# Altium PCB SAC100001-RFSENS.PcbDoc (part 4 of 4) (continued)
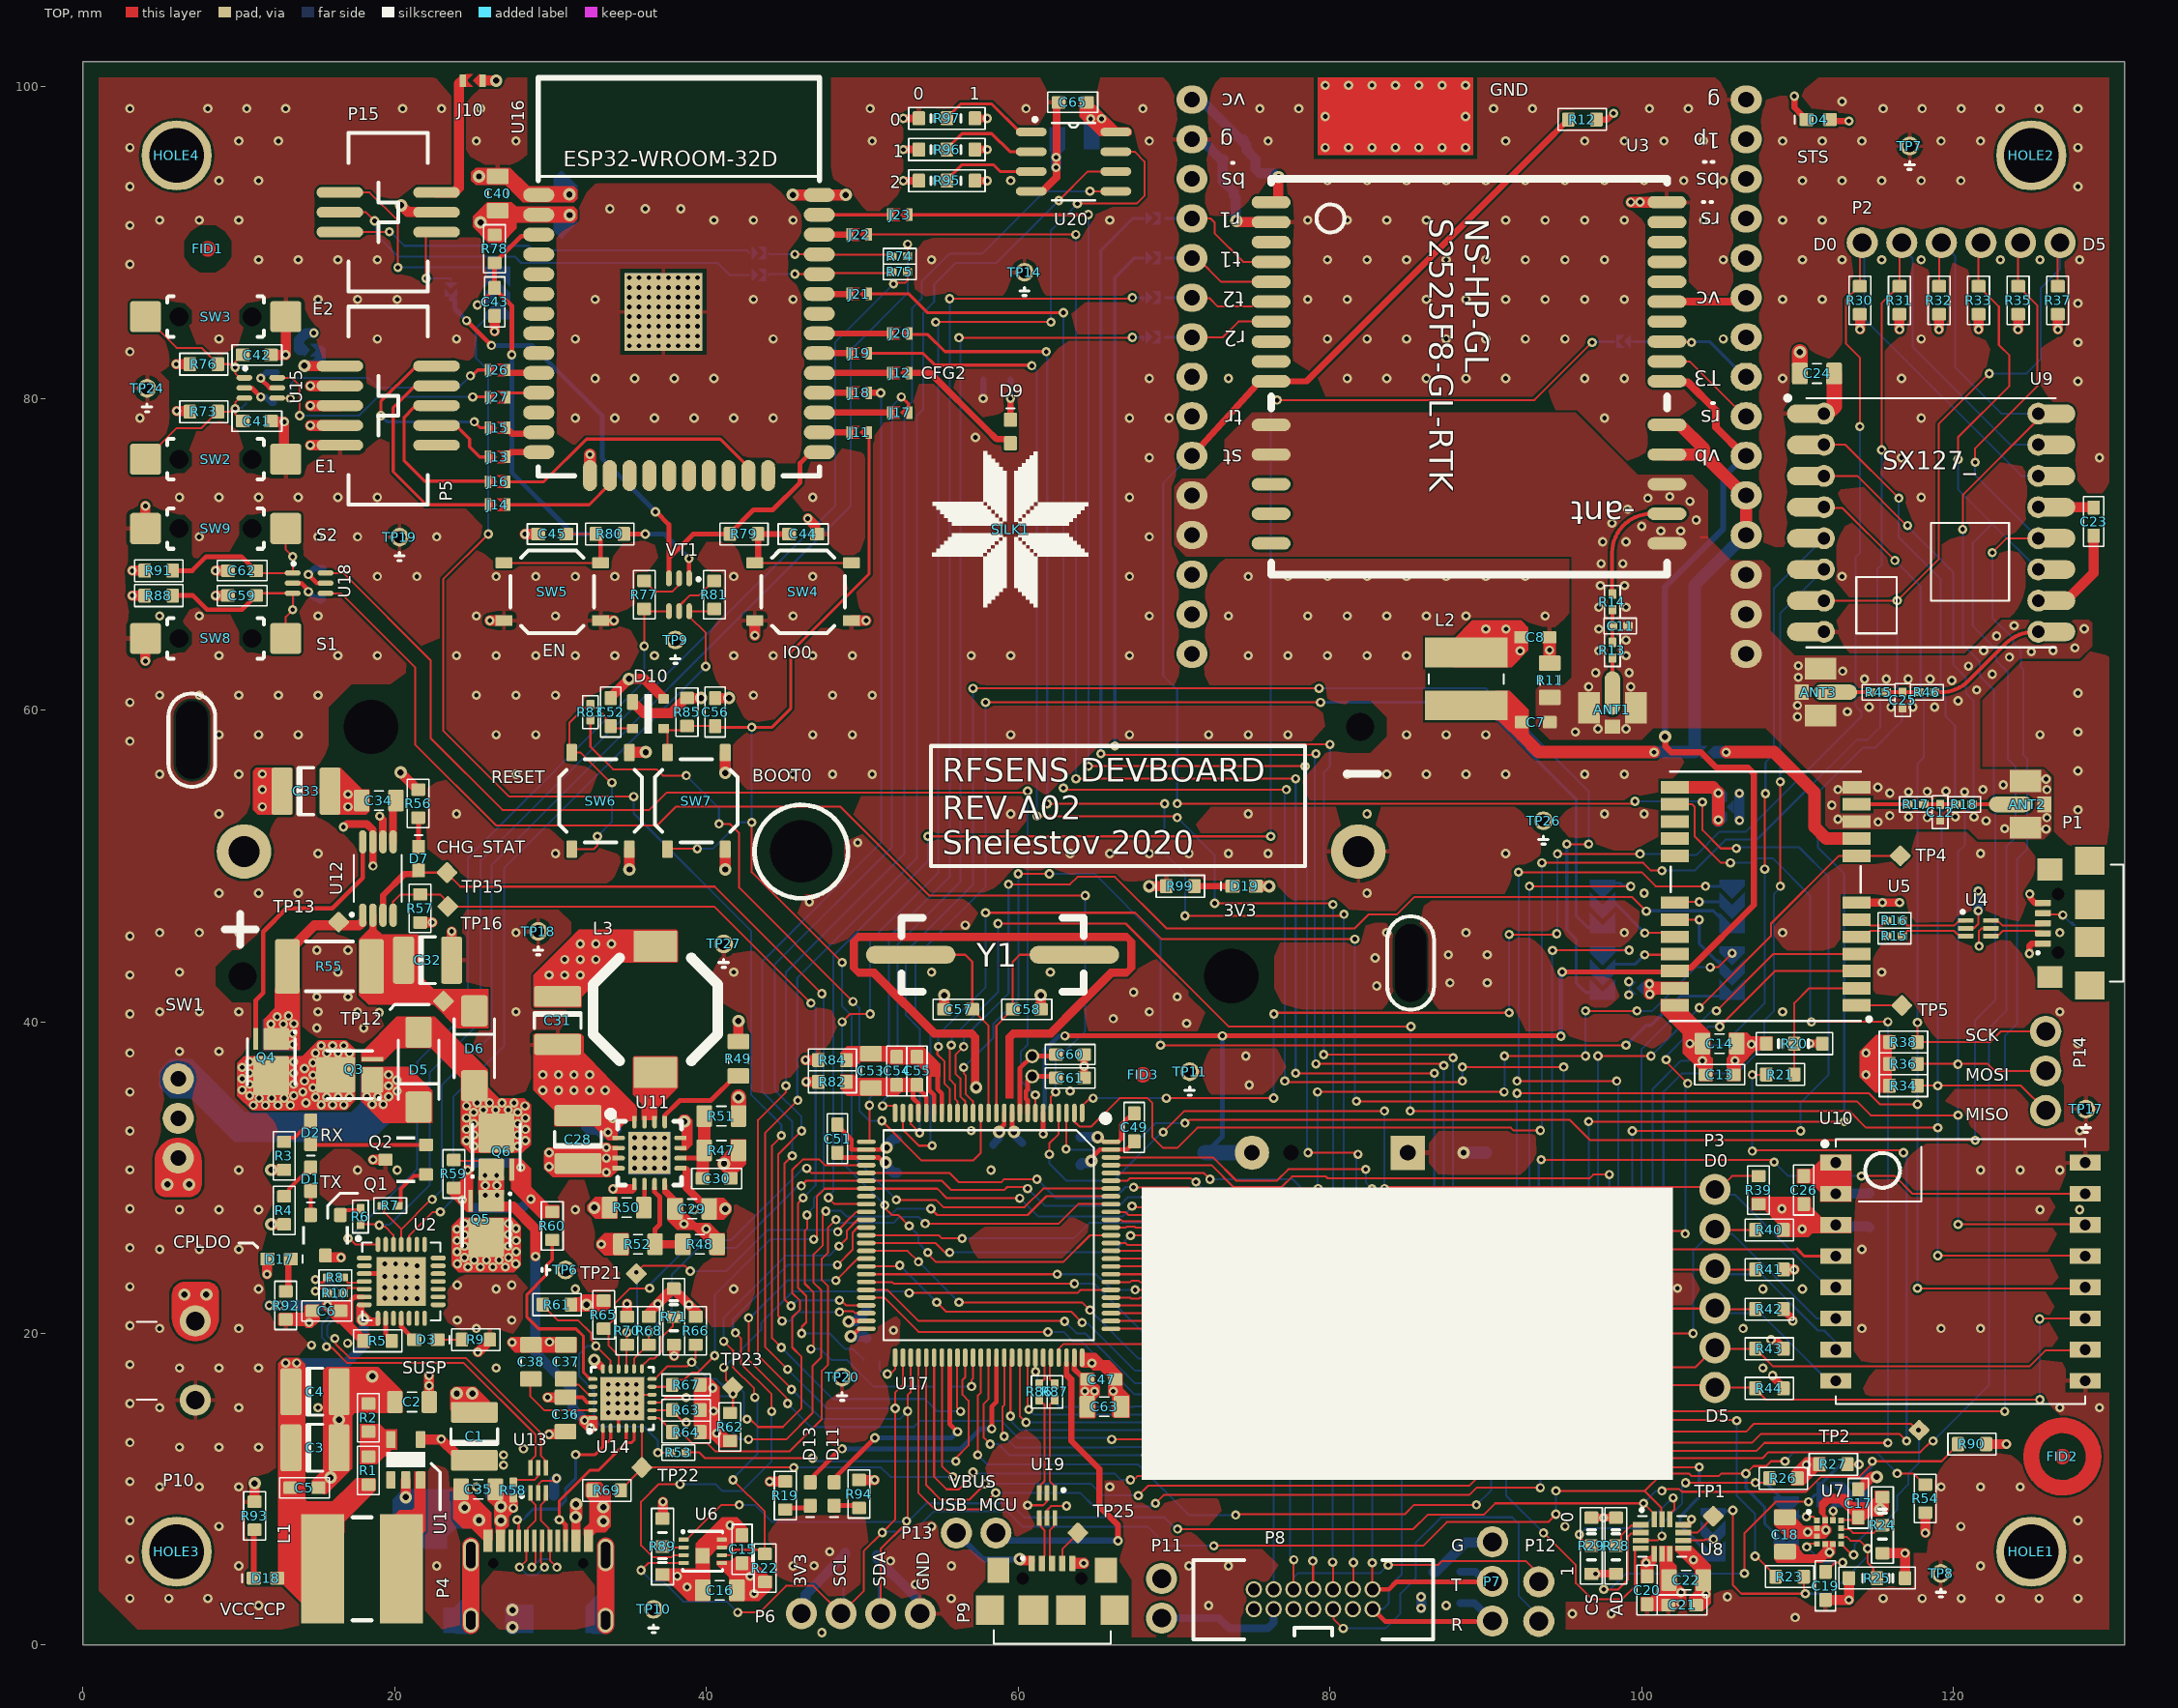
[diagram p0: TOP view]
## Polygon pours and split planes (outlines as drawn) (continued)
GND on PWR (split plane): 54.998,3.258 54.998,1.342 54.166,0.51 46.902,0.51 46.902,1.033 47.372,1.503 47.394,1.536 47.402,1.575 47.402,3.7 47.394,3.739 47.372,3.772 46.402,4.742 46.402,5.558 47.342,6.498 51.758,6.498
GND on PWR (split plane): 17.598,24.558 17.598,19.042 16.983,18.427 14.517,18.427 13.977,18.967 13.977,19.199 13.995,19.225 14.004,19.275 13.995,19.325 13.977,19.351 13.977,24.533 14.768,25.324 14.8,25.33 14.826,25.348 16.808,25.348
UBVBUS on PWR (split plane): 119.428,45.778 119.461,45.756 119.5,45.748 123.208,45.748 123.428,45.528 123.461,45.506 123.5,45.498 124.958,45.498 125.648,44.808 125.648,43.892 125.208,43.452 123.605,43.452 123.135,43.922 123.102,43.944 123.062,43.952 118.042,43.952 115.072,46.922 115.039,46.944 115,46.952 112.792,46.952 112.602,47.142 112.602,48.058 112.792,48.248 116.958,48.248
GPS_STSr on PWR (split plane): 111.073,97.553 108.847,95.327 98.353,95.327 97.727,95.953 97.727,97.1 97.718,97.149 97.69,97.19 97.327,97.553 97.327,101.09 111.073,101.09

## Other copper
TOP:
  region net GND: 89.2,95.6 89.2,100.6 79.2,100.6 79.2,95.6
  region net VPLUG: 6.1,32.56 ccw(c6.1,31.06) 4.6,31.06 4.6,29.46 ccw(c5.3,29.46) 5.3,28.76 6.8,28.76 ccw(c6.8,29.56) 7.6,29.56 7.6,31.06 ccw(c6.1,31.06)
  region net VPLUG: 7.2,19.5 ccw(c7.2,21) 8.7,21 8.7,22.6 ccw(c8,22.6) 8,23.3 6.5,23.3 ccw(c6.5,22.5) 5.7,22.5 5.7,21 ccw(c7.2,21)
  pour cut-out: 0.5,4 4,0.5 0.5,0.5
  region net 3V3: 31.5,91.3 31.7,91.5 31.7,92.1 31.5,92.3 27.8,92.3 27.5,92.6 25.9,92.6 25,91.7 25,91.448 25,91 26,90 26.9,90 27.8,90.9 27.8,91.3
  region net 3V3: 116.05,39.15 115.05,39.15 114,38.1 114,36.45 115,35.45 116.05,35.45
  pour cut-out: 89.45,95.35 78.95,95.35 78.95,100.85 89.45,100.85
  pour cut-out: 125.1,13.1 126.1,14.1 127.9,14.1 128.9,13.1 128.9,11.4 127.7,10.2 126.1,10.2 125.1,11.2
  pour cut-out: 28.5,101.6 28.5,94.1 28.8,93.8 47.7,93.8 48,94.1 48,101.6
  pour cut-out: 6.5,90.1 6.5,89.1 6.9,88.5 7.5,88.1 8.5,88.1 9.1,88.5 9.5,89.1 9.5,90.1 9.1,90.7 8.5,91.1 7.5,91.1 6.9,90.7
  pour cut-out: 86.1,62.8 86.1,61.1 91.488,61.1 91.4,61.188 91.4,62.8
  pour cut-out: 32.525,39.15 35.1,36.5 38.35,36.5 40.925,39.15 40.925,42.45 38.35,45.1 35.1,45.1 32.525,42.45
  pour cut-out: 16.6,1.3 19.2,1.3 19.2,8.4 16.6,8.4
  region net GND: 25.3,15.525 26.225,15.525 25.175,16.575 23.8,16.575 23.55,16.325 23.55,15.125 23.65,15.025 24.1,15.475 25.3,15.475
  region net VLI-ION: 17.45,34.925 16.875,34.35 13.85,34.35 13.8,34.3 10.825,34.3 9.875,35.25 9.875,37.35 10.325,37.8 13.8,37.8 14.075,37.8 15.075,38.8 16.9,38.8 17.45,38.25
  region net VBUSd: 25.025,29.95 25.025,30.6 24.825,30.8 24.525,30.8 24.3,30.575 24.3,29.925 23.45,29.075 23.45,28.95 24.6,27.8 25.025,27.8
  region net VB_CONST: 17.85,34.9 19.25,33.5 22.4,33.5 22.4,35.6 20.9,37.1 19.275,37.1 19.2,37.1 17.85,37.1
  region net VBUS: 24.725,35.102 24.3,34.677 24.3,32.127 24.825,31.602 26.073,31.602 26.95,31.602 28.198,31.602 28.723,32.127 28.723,34.677 28.298,35.102
  region net VBUS_RAW: 27.648,23.925 28.073,24.35 28.073,26.9 27.548,27.425 26.3,27.425 25.423,27.425 24.175,27.425 23.65,26.9 23.65,24.35 24.075,23.925
  region net VBUSd: 30.2,27.4 30.525,27.4 30.575,27.45 30.575,28.175 30.525,28.225 29.875,28.225 29.725,28.375 29.625,28.275 29.625,27.4
  region net VBUSd: 30.2,27.4 30.2,27.95 28.725,29.425 28.725,30.6 28.1,31.225 27.375,31.225 27.35,31.2 27.35,29.825 27.45,29.725 27.45,29.25 29.3,27.4
  region net VBUSi: 33,13.875 32.75,13.625 32.4,13.625 31.85,14.175 31.85,14.6 32,14.75 32.9,14.75 33,14.65
  region net VLI-ION: 10.4,37.8 13.8,37.8 13.8,34.8 10.4,34.8
  region net GND: 14.65,10.4 14.65,10.525 15.5,11.375 15.875,11.375 15.875,10.4
  region net VCC_CP: 15.65,8.875 17.5,10.725 18.725,10.725 18.775,10.675 18.775,9.925 16.65,7.8 15.65,7.8
  region net NetL3_1: 35.275,35.775 35.275,35.325 35.85,34.75 35.85,35.2 35.85,33.95 36.825,33.95 36.825,34.425 38.175,35.775 35.275,35.775
  region net 3V3: 32,41.617 34.182,43.8 36.725,43.8 36.725,45.9 31.8,45.9 28.9,43 28.9,41.617
  region net 3V3: 35.275,45.8 35.375,45.9 38.075,45.9 38.175,45.8 38.175,43.875 38.1,43.8 35.35,43.8 35.275,43.875
  region net NetL3_1: 35.275,37.7 35.375,37.8 38.075,37.8 38.175,37.7 38.175,35.775 38.1,35.7 35.35,35.7 35.275,35.775
  region net 3V3: 28.9,42.255 28.975,42.33 31.925,42.33 32,42.255 32,40.98 31.95,40.93 28.95,40.93 28.9,40.98
  region net GND: 30.225,34.3 30.225,33.325 30.25,33.3 32.775,33.3 33.675,32.4 34.275,32.4 34.275,33 34.9,33.625 35.525,33.625 35.525,34.575 33.575,36.525 33.575,36.55 32.1,38.025 32.1,39.075 32,39.175 30.725,37.9 28.9,37.9 28.9,35.625
  region net GND: 28.9,39.175 28.975,39.25 31.925,39.25 32,39.175 32,37.9 31.95,37.85 28.95,37.85 28.9,37.9
  region net NetL3_1: 35.875,33.7 35.85,33.725 35.85,34.175 36.825,34.175 36.825,33.725 36.8,33.7
  region net 3V3: 63.95,17.925 64.075,17.8 64.625,17.8 64.8,17.625 65.275,17.625 65.75,17.15 65.75,16.075 65.825,16 65.975,16 66.025,15.95 66.025,14.675 66.125,14.575 67.125,14.575 67.15,14.6 67.15,16.025 66.7,16.475 66.7,17.425 65.85,18.275 64.7,18.275 65.45,18.275 64.975,18.75 64.325,18.75 64.25,18.825 63.95,18.825
  region net SVBUSb: 63.25,18.15 63.25,17.475 63.6,17.125 63.6,16.65 63.2,16.65 63.2,16.975 62.95,17.225 62.95,18.15
  region net GND: 64.95,14.6 64.95,15.8 65.225,16.075 65.225,16.6 64.9,16.925 64.9,17.45 64.875,17.475 64.05,17.475 63.75,17.775 63.75,18.15 63.45,18.15 63.45,17.625 63.925,17.15 63.925,14.575 63.95,14.55 64.9,14.55
  region net VCC_CP: 12.7,4.6 14.2,6.1 14.4,6.1 14.4,3.5 14.3,3.4 14.4,3.3 14.4,2.2 14.3,2.3 14.3,2.4 12.7,4
  region net GND: 14.825,20.475 12.6,20.475 12.525,20.55 12.525,21.236 12.614,21.325 14.125,21.325 14.2,21.4 14.2,21.725 14.45,21.725 14.937,21.238 14.937,20.587
  region net NetL1_1: 19.95,7.5 20.725,6.725 21.375,6.725 21.975,7.325 21.975,8.825 21.975,11.15 21.25,11.15 21.25,8.825 21.1,8.675 20.3,8.675 19.95,8.325
  region net 3V3: 91.65,62.75 92.725,63.825 92.725,65.3 92.275,65.75 89.125,65.75 87.9,64.525 87.9,62.75
  region net RFVCC: 92.975,58.275 92.75,58.5 92.75,60.025 91.525,61.25 90.625,61.25 90.625,59.35 90.8,59.35 92.275,57.875
  region net GND: 64.1,40.9 66.1,42.9 67,42.9 67.5,43.4 67.5,43.6 67,43.6 67,43.5 66.9,43.4 65.849,43.4 63.833,41.384
  region net GND: 64.2,41 62.2,39 61.7,39 61.7,39.25 63.95,41.5 64.2,41.5
  region net GND: 52.6,40.9 50.6,42.9 49.7,42.9 49.2,43.4 49.2,43.6 49.7,43.6 49.7,43.5 49.8,43.4 50.851,43.4 52.867,41.384
  region net GND: 67.5,45 67.5,45.2 67,45.7 64.9,45.7 64.9,45.2 66.9,45.2 67,45.1 67,45
  region net GND: 49.2,45 49.2,45.2 49.7,45.7 51.8,45.7 51.8,45.2 49.8,45.2 49.7,45.1 49.7,45
  region net 3V3: 63.95,98.075 65.2,96.825 67.125,96.825 67.275,96.975 67.275,97.225 67.1,97.4 66.375,97.4 64.85,98.925 64.85,99.05 63.95,99.05
  region net 3V3: 105.45,36.2 106.35,36.2 106.35,37.2 107.3,38.15 108.4,38.15 108.4,39.05 107.025,39.05 106.775,39.3 105.6,39.3 105.6,37.825 105.45,37.675
  region net NetJ8_2: 103.025,42.55 100.85,42.55 100.65,42.75 100.35,42.75 100.175,42.575 100.175,41.625 100.35,41.45 100.65,41.45 100.95,41.75 103.025,41.75
  region net UGND: 104.55,36.2 104.55,37.65 104.4,37.8 104.4,39.3 103.025,40.675 103.025,41.45 101.2,41.45 101.2,40.65 102.65,39.2 102.65,37.975 103.65,36.975 103.65,36.2
  region net GND: 40.2,5.463 39.363,5.463 39.3,5.4 39.3,4.05 40.25,4.05 40.25,4.625 40.2,4.675
  region net GND: 40.25,4.225 40.15,4.225 39.45,4.925 36.725,4.925 36.725,4.125 37.525,4.125 38.825,2.825 40.25,2.825
  region net GND: 40.65,6.15 41.3,6.15 41.75,6.6 42.675,6.6 42.675,7.5 41.975,8.2 40.975,8.2 39.3,6.525 39.3,5.225 40.2,5.225 40.2,5.7
  region net 3V3: 40.65,5.4 41.575,5.4 41.875,5.7 42.75,5.7 44,4.45 44.2,4.45 44.2,3.65 43.375,2.825 41.45,2.825 41.45,4.35 40.65,5.15
  region net 3V3: 103.05,2.175 103.95,2.175 104.45,2.675 104.45,5.125 103.2,6.375 102.15,6.375 102.15,6.05 103.425,4.775 103.425,3.45 103.05,3.075
  region net GND: 99.95,2.175 102.15,2.175 102.325,2.35 102.65,2.35 102.85,2.55 102.85,3.5 102.25,4.1 102.25,5.1 102,5.35 102,6.375 101.15,6.375 101.15,3.675 100.55,3.075 99.95,3.075
  region net 3V3: 99.95,3.975 100.75,3.975 100.75,5.1 100.975,5.325 100.975,6.375 100.625,6.375 100.625,5.8 100.5,5.675 100.2,5.675 99.95,5.425
  region net GND: 115.85,9.9 115.85,8.65 115.475,8.275 114.6,8.275 114.275,7.95 114.275,7.75 113.5,7.75 113.45,7.8 113.45,7.9 113.375,7.975 112.9,7.975 112.9,8.075 113.4,8.075 113.45,8.125 113.45,8.325 112.675,9.1 112.075,9.1 111.8,8.825 111.8,8.375 111.925,8.25 111.925,7.825 111.6,7.825 111.6,8.25 111.375,8.475 111.375,9.175 111.875,9.675 113.1,9.675 113.6,9.175 114.65,9.175 114.95,9.475 114.95,9.9
  region net GND: 108.5,7.7 109.35,6.85 111.8,6.85 112.175,7.225 112.175,7.525 111.925,7.775 111.925,8.2 111.6,8.2 111.6,7.75 111.5,7.65 110.6,7.65 110.4,7.65 109.9,8.15 109.9,8.7 108.5,8.7
  region net 3V3: 108.5,5.5 108.7,5.3 111.6,5.3 111.875,5.575 112.125,5.575 112.425,5.875 112.425,6.675 111.625,6.675 111.625,6.225 111.225,5.825 110.425,5.825 110.1,6.15 110.1,6.3 109.9,6.5 108.5,6.5
  region net 3V3: 109.6,10.25 110.4,10.25 111.3,11.15 111.8,11.15 111.8,12.05 110.5,12.05 109.6,11.15
  region net GND: 113.475,28.45 111.45,28.45 111.45,29.075 110.9,29.625 110,29.625 109.975,29.65 109.975,30.55 110,30.575 110.9,30.575 111.45,31.125 111.45,31.475 113.475,31.475
  region net GND: 31.5,92.6 31.7,92.8 31.7,93.4 31.5,93.6 28.6,93.6 27.4,94.8 25.2,94.8 24.9,94.5 24.9,94 25.2,93.7 27.1,93.7 28.2,92.6
  region net GND: 63.625,5.6 64.325,5.6 64.525,5.4 64.525,5.1 64.325,4.9 63.625,4.9
  region net 3V3: 110.95,26.45 113.475,26.45 113.475,27.475 111.55,27.475 110.875,28.15 110.875,28.675 110.8,28.75 107.1,28.75 107.05,28.7 107.05,27.9 107.9,27.9 108.7,27.1 108.7,26.2 110.7,26.2
  region net STAGND: 53.5,37.25 54.121,36.629 54.121,36.475 55,36.475 55,37.3 53.85,38.45 49.025,38.45 48.575,38 48.575,37.1 49.525,37.1 49.875,37.45 51.55,37.45 51.75,37.25
  region net STAVCC: 53.8,36.4 49.65,36.4 49.45,36.6 48.575,36.6 48.575,35.7 49.025,35.25 52.25,35.25 52.5,35.5 53.8,35.5
  region net 3V3: 31.3,21.5 31.4,21.4 33.55,21.4 33.85,21.7 33.85,22.5 32.05,22.5 31.85,22.3 31.525,22.3
  region net GND: 31.675,19.775 27.425,19.775 27.2,19.55 27.2,19.3 27.725,18.775 31.675,18.775
  region net GND: 15.175,21.85 15.175,20.825 14.7,20.35 14.325,20.35 14.175,20.5 14.175,21.75 14.275,21.85
  region net CP_LDO: 16.3,20.65 16.45,20.65 17.6,19.5 17.6,19.075 18.4,19.075 18.4,19.95 18.4,19.975 17.975,19.975 17.325,20.625 17.325,22.05 17.45,22.175 17.992,22.175 18.042,22.225 18.042,22.455 17.992,22.505 17.555,22.505 17.377,22.502 17.15,22.275 16.975,22.1 15.5,22.1 15.325,21.925 15.325,21.625
  region net VCC_CP: 12.525,17.575 12.525,4.4 13.95,4.4 16.75,7.2 16.75,9.6 16.375,9.225 14.375,9.225 14.25,9.35 14.25,17.225 14.25,18.025 13.85,18.425 12.85,18.425 12.525,18.1
  region net GND: 15.4,9.7 15.625,9.7 17.25,11.325 17.25,14.725 17.425,14.9 20.5,14.9 20.5,16.3 18.95,17.85 17.175,17.85 15.625,17.85 15.4,17.625
  region net NetR1_1: 17.75,11.6 18.85,11.6 19.8,12.55 20.15,12.55 20.15,13.075 20.15,13.85 19.375,13.85 19.025,14.2 17.75,14.2
  region net 3V3: 41.95,13.5 41.4,13.5 40.825,14.075 40.825,16.575 40.25,17.15 39.2,17.15 39.2,13.225 40.325,13.225 40.85,12.7 41.95,12.7
  region net 3V3: 41.975,29.825 41.1,29.825 41.1,30.325 40.7,30.725 40.7,31.075 41.55,31.925 41.55,32.45 42.55,32.45 42.55,30.875 41.975,30.3
  region net GND: 38.725,31.75 38.325,31.75 38.275,31.8 38.275,31.9 38.4,32.025 38.4,33.15 38.15,33.4 38.15,33.8 38.375,34.025 38.775,34.025 39.1,33.7 39.1,32.125
  region net 3V3: 34.275,27.375 34.275,28.775 32.85,28.775 32.325,28.25 32.325,27.9 32.85,27.375
  region net GND: 35,25.025 35,26.425 33.45,26.425 32.925,25.9 32.925,25.55 33.45,25.025
  region net VIN_MAIN_DC: 40.375,25.025 41.175,25.025 41.175,26.425 40.875,26.425 40.225,27.075 39.35,27.075 38.475,27.95 38.475,28.7 38.075,28.7 37.475,29.3 37.475,29.55 37.425,29.6 37.175,29.6 37.175,29 37.475,28.7 37.475,28.425 37.475,27.275 38.1,26.65 39.2,26.65 40.175,25.675 40.175,25.225
  region net GND: 40.6,28.7 41.1,28.7 41.6,28.2 41.6,27.8 41.1,27.3 40.6,27.3
  region net VCC_CP: 19.05,21.025 19.05,20.6 18.925,20.475 17.8,20.475 17.55,20.725 17.55,21.825 17.7,21.975 18.05,21.975 18.05,21.475 18.5,21.025
  region net VBUS_RAW: 26.475,7.2 27.075,7.2 27.075,7.425 27.3,7.65 27.3,8.225 27.575,8.5 27.725,8.5 27.9,8.675 27.9,9.275 27.425,9.75 25.95,9.75 25.95,9.3 26.375,8.875 26.375,7.775 26.475,7.675
  region net VBUSs: 12.3,42.125 13.9,42.125 13.904,38.2 11.575,38.2 11.575,40.15 12.3,40.875
  region net GND: 16.275,53.291 18.166,53.291 18.375,53.5 18.375,54.9 17.925,54.9 16.516,56.309 16.275,56.309
  region net VIN_MAIN_DC: 34.275,30.45 33.85,30.025 30.125,30.025 29.575,30.575 29.575,31.725 29.775,31.925 33.075,31.925 33.4,32.25 33.725,32.25 33.925,32.05 34.275,32.05
  region net VLI-ION: 13.4,56.3 11.1,56.3 10.9,56.1 10.9,53.6 11.2,53.3 13.4,53.3
  region net GND: 26.275,6.75 26.275,7.45 26.2,7.525 26.2,8.5 24.75,9.95 23.75,9.95 23.75,8.1 24.35,7.5 24.925,7.5 25.675,6.75
  region net GND: 32.125,7.05 32.125,7.475 32.475,7.825 32.475,9.3 32.225,9.55 32.225,10.35 32.35,10.475 33.2,10.475 33.85,9.825 33.85,7.6 33.5,7.25 32.925,7.25 32.725,7.05
  region net VBUSc: 24,39.6 26,39.6 26,42.1 22.5,42.1 21.5,43.1 21.5,45.6 19.175,45.6 18.825,45.95 18.35,45.95 17.7,45.3 17.7,41.7 18.3,41.1 22.5,41.1
  region net VBUS: 27.7,31.6 24.827,31.6 24.25,32.177 24.25,36.125 25.675,36.125 27.7,34.1
  region net VBUS: 22.325,40.325 22.574,40.325 25.975,36.924 25.975,34.7 24.25,34.7 24.25,36.4 22.325,38.325
  region net VBUS: 17.85,37.45 17.85,38.05 20.125,40.325 22.4,40.325 22.4,38.325 20.125,38.325 19.25,37.45
  region net GND: 59.7,35.1 59.7,38.9 59.2,38.9 59.2,35.1
  region net VBUSi: 25.37,30.064 25.37,28.964 27,28.964 27,30.064
  region net GND: 58,45.2 58,45.7 65,45.7 65,45.2
  region net GND: 67,45.1 67,44.3 67.5,44.3 67.5,45.1
  region net GND: 67.5,43.5 67.5,44.3 67,44.3 67,43.5
  region net GND: 62.2,39.5 61.4,39.5 61.4,39 62.2,39
  region net GND: 61.4,39.5 60.6,39.5 60.6,39 61.4,39
  region net GND: 59.8,39.5 60.6,39.5 60.6,39 59.8,39
  region net GND: 59.8,39 59.8,39.5 59.6,39.5 59.2,39.1 59.2,38.9 59.7,38.9
  region net GND: 57.5,38.9 57.5,35.7 57,35.7 57,38.9
  region net GND: 56.9,39 56.9,39.5 57.1,39.5 57.5,39.1 57.5,38.9 57,38.9
  region net GND: 56.9,39.5 56.1,39.5 56.1,39 56.9,39
  region net GND: 55.3,39.5 56.1,39.5 56.1,39 55.3,39
  region net GND: 54.5,39.5 55.3,39.5 55.3,39 54.5,39
  region net GND: 52.5,41 54.5,39 55,39 55,39.25 52.75,41.5 52.5,41.5
  region net GND: 49.2,43.5 49.2,44.3 49.7,44.3 49.7,43.5
  region net GND: 49.7,45.1 49.7,44.3 49.2,44.3 49.2,45.1
  region net GND: 58.7,45.2 58.7,45.7 51.7,45.7 51.7,45.2
BOT:
  rectangle net GND: 34.725,83.05 39.75,88.075
  rectangle net GND: 33.2,14.425 36,17.225
  rectangle net VBUSi: 25.35,28.525 27.025,30.475
  rectangle net VBUSs: 11.5,38.125 13.9,40.2
  rectangle net VLI-ION: 10.4,34.8 13.8,37.7
  rectangle net VB_CONST: 17.775,35.4 19.35,37.1
  rectangle net VLI-ION: 14.9,35.3 17.4,37.9
  pour cut-out: 0.5,4 4,0.5 0.5,0.5
  pour cut-out: 28.5,101.6 28.5,94.1 28.8,93.8 47.7,93.8 48,94.1 48,101.6
  pour cut-out: 86.1,62.8 86.1,61.1 91.488,61.1 91.4,61.188 91.4,62.8
  pour cut-out: 32.525,39.15 35.1,36.5 38.35,36.5 40.925,39.15 40.925,42.45 38.35,45.1 35.1,45.1 32.525,42.45
  pour cut-out: 16.6,1.3 19.2,1.3 19.2,8.4 16.6,8.4
  region net GND: 27.1,0.975 27.375,0.7 27.7,0.7 27.8,0.8 28.875,0.8 28.875,2.6 27.8,2.6 27.7,2.7 27.375,2.7 27.1,2.425
  region net VLI-ION: 17.45,34.925 16.875,34.35 13.85,34.35 10.775,34.35 9.875,35.25 9.875,37.35 10.325,37.8 13.8,37.8 14.075,37.8 15.075,38.8 16.9,38.8 17.45,38.25
  region net VBUS: 24.725,35.102 24.3,34.677 24.3,32.127 24.825,31.602 26.073,31.602 26.95,31.602 28.198,31.602 28.723,32.127 28.723,34.677 28.298,35.102
  region net VBUS_RAW: 27.648,23.925 28.073,24.35 28.073,26.9 27.548,27.425 26.3,27.425 25.423,27.425 24.175,27.425 23.65,26.9 23.65,24.35 24.075,23.925
  region net TYPEC_SHIELD: 32.25,0.8 32.6,0.8 32.675,0.725 33.525,0.725 34,1.2 34,2.4 34,3.35 33.1,3.35 32.25,2.5
  region net GND: 19.85,6.2 19.85,9.35 20.5,10 24.1,10 25.9,8.2 25.9,7.8 25.6,7.5 23.9,7.5 23.35,6.95 23.35,6.2
  region net TYPEC_SHIELD: 23.125,0.8 23.85,0.8 23.925,0.725 24.9,0.725 24.9,2.625 24.675,2.4 24.65,2.4 24.65,3 24.375,3 23.775,2.4 23.125,2.4
  region net GND: 63,96 63,97.4 62,97.4 62,95.9 62.1,95.8 62.1,94.7 62.3,94.5 62.55,94.5 62.75,94.7 62.75,95.75
  region net 3V3: 64.2,96 65.2,96 65.2,97.35 65.675,97.825 65.675,98.075 65.475,98.275 64.825,98.275 64.45,98.275 64.2,98.025
  region net UGND: 105.475,53.4 105.45,53.425 104.65,53.425 104.65,54.175 105.45,54.175 105.475,54.2 105.475,54.725 105.1,55.1 104.775,55.1 104.5,54.825 104.5,52.775 104.75,52.525 105.1,52.525 105.475,52.9
  region net 3V3: 30.692,90.242 31.692,91.242 31.692,92.092 31.492,92.292 30.992,92.292 30.192,91.492 30.192,90.742
  region net GND: 30.7,94.65 31.7,93.65 31.7,92.8 31.5,92.6 31,92.6 30.2,93.4 30.2,94.15
  region net GND: 32.925,32.75 33.2,32.475 34.025,32.475 34.525,32.975 34.525,34.125 34.35,34.3 33.075,34.3 32.4,33.625 32.4,32.75
  region net VB_CONST: 17.775,37.1 20.6,37.1 20.6,34.45 18.45,32.3 9.7,32.3 6.9,35.1 5.6,35.1 4.9,35.8 4.9,36.9 5.6,37.6 7,37.6 10.4,34.2 17.2,34.2 17.775,34.775
  region net GND: 34.975,32.95 37.7,32.95 37.7,30.2 34.975,30.2
GND (plane layer: these items are gaps in the copper):
  pour cut-out: 32.525,39.15 35.1,36.5 38.35,36.5 40.925,39.15 40.925,42.45 38.35,45.1 35.1,45.1 32.525,42.45
  pour cut-out: 76.39,2.314 75.866,2.314 75.48,2.7 75.48,3.225 76.005,3.225 76.405,2.825
  pour cut-out: 81.47,2.314 80.946,2.314 80.56,2.7 80.56,3.225 81.085,3.225 81.485,2.825
  pour cut-out: 81.47,2.314 81.994,2.314 82.38,2.7 82.38,3.225 81.855,3.225 81.455,2.825
  pour cut-out: 78.93,2.314 79.454,2.314 79.84,2.7 79.84,3.225 79.315,3.225 78.915,2.825
  pour cut-out: 77.66,2.314 77.136,2.314 76.75,2.7 76.75,3.225 77.275,3.225 77.675,2.825
  pour cut-out: 86.4,62.8 86.4,61.2 91.1,61.2 91.1,62.8
  pour cut-out: 19.1,1.5 16.7,1.5 16.7,8.3 19.1,8.3
  pour cut-out: 28.5,101.1 48,101.1 48,94.1 28.5,94.1
  lines w0.2: 103.908,55.442 103.908,50.892 104.8,50 104.8,44.9 102.75,42.85 102.75,40.75 102.5,40.5 102.5,37.85 103.5,36.85 104.25,36.85 104.75,37.35 104.75,37.85 106.9,40 106.9,42.4 113.1,48.6 117.2,48.6 118.1,47.7 122,47.7 122.3,47.4 125,47.4 125.6,48 125.6,48.6 125.2,49 122.417,49 121.417,50 107.7,50 105.6,52.1 105.6,55.4 ; 131.5,51.6 111.75,51.6 107.908,55.442 106.033,55.442 101.783,55.442 97.658,55.442 95,58.1 95,62.1 96.25,63.35 96.25,71.35 99.2,74.3 103.05,74.3 108.25,69.1 108.25,64.85 109.25,63.85 120.475,63.85 122.725,66.1 129,66.1 131.5,66.1
PWR (plane layer: these items are gaps in the copper):
  pour cut-out: 86.4,62.8 86.4,61.2 91.1,61.2 91.1,62.8
  pour cut-out: 19.1,1.5 16.7,1.5 16.7,8.3 19.1,8.3
  pour cut-out: 32.525,39.15 35.1,36.5 38.35,36.5 40.925,39.15 40.925,42.45 38.35,45.1 35.1,45.1 32.525,42.45
  pour cut-out: 28.5,101.1 48,101.1 48,94.1 28.5,94.1
  lines w0.1: 23.7,0.5 23.9,0.5 ; 34.5,0.5 34.7,0.5
  lines w0.2: 5.2,32.5 4.7,32 4.7,21.2 6.5,19.4 8.1,19.4 9,20.3 9,31.2 ; 8.556,35.11 7.425,35.11 7.425,36.95 5.45,38.925 5.45,52.35 9.6,56.5 13.7,56.5 14.1,56.1 14.1,54.8 15.8,53.1 17.7,53.1 18.6,52.2 18.6,50.9 19.4,50.1 ; 8.95,20.342 9.058,20.342 ; 17.6,33.6 17.6,37.7 17.425,37.875 11.525,37.875 11.2,38.2 11.2,40.925 12.075,41.8 12.075,47.175 14.2,49.3 19,49.3 19.4,49.7 19.4,50.1 ; 44.8,0 46.8,0 46.8,1.075 47.3,1.575 47.3,3.7 46.3,4.7 46.3,5.6 47.3,6.6 51.8,6.6 55.1,3.3 55.1,1.3 53.8,0 55,0 ; 9,31.2 21.9,31.2 25.1,34.4 27.7,34.4 28.2,33.9 28.2,30.8 28.95,30.05 29.225,29.775 32.25,29.775 33.575,28.45 33.575,27.225 35.875,24.925 38.3,24.925 38.725,24.5 42.1,24.5 42.7,25.1 42.7,26 41.775,26.925 40.55,26.925 39.05,28.425 36.45,28.425 34.6,30.275 34.6,30.3 34.6,32.2 34.4,32.4 33.1,32.4 30.6,32.4 30.2,32.8 30.2,35 28.6,36.6 22.4,36.6 19.4,33.6 10.9,33.6 9.4,35.1 5,35.1 4.5,34.6 4.5,33.1 5.1,32.5 7.15,32.5 7.7,32.5 9,31.2 ; 19.4,50.1 19.4,50.1 ; 13.875,18.925 13.875,24.575 14.75,25.45 16.85,25.45 17.7,24.6 17.7,19 17.025,18.325 14.475,18.325 13.875,18.925 ; 21.3,13.3 23.7,10.9 25.1,10.9 26.125,9.875 26.125,7.275 26.4,7 27.1,7 27.475,7.375 27.475,8.075 28,8.6 28,10.525 29.05,11.575 30.925,11.575 31.2,11.3 31.2,9.6 30.975,9.375 30.975,7.725 31.292,7.408 31.958,7.408 32.375,7.825 32.375,9.275 32.375,12.075 33.1,12.8 33.1,17.25 33.85,18 33.85,19.8 33.4,20.25 32.175,20.25 31.425,19.5 31.425,17.725 31,17.3 31,15.775 30.275,15.05 28.575,15.05 26.6,17.025 26.6,23.6 27.6,24.6 27.6,27.2 27.3,27.5 27.1,27.5 24.4,27.5 23.8,26.9 23.8,19 22.9,18.1 21.875,18.1 21.3,17.525 21.3,13.3 ; 112.5,47.1 112.5,48.1 112.75,48.35 117,48.35 119.5,45.85 123.25,45.85 123.5,45.6 125,45.6 125.75,44.85 125.75,43.85 125.25,43.35 123.563,43.35 123.062,43.85 120.187,43.85 118,43.85 115,46.85 112.75,46.85 112.5,47.1
  lines w0.25: 23.9,0.5 23.9,2.6 24.9,3.6 33.5,3.6 34.5,2.6 34.5,0.5 ; 96,101.6 97.2,101.6 97.2,97.5 97.6,97.1 97.6,95.9 98.3,95.2 108.9,95.2 111.2,97.5 111.2,101.6 116.747,101.6
  lines w0.254: 9.058,20.342 10.125,19.275 13.875,19.275 ; 14.75,25.45 14.75,31.2

## Silkscreen, mask and mechanical layers (free items; w line width, h text height)
Top Overlay:
  rectangle: 67.932,10.6 102,29.38
  lines w0.2: 10,25.8 10.9,25.8 11.2,25.5 ; 15.7,27.4 15.7,28.2 16,28.5 16.5,29 17.6,29 ; 19.7,40.8 20,41.1 22.2,41.1 ; 22.35,11.65 22.9,11.1 22.9,8.7
  lines w0.25: 54.4,49.991 54.4,57.7 78.4,57.7 78.4,49.991 54.4,49.991
  text "GND" at 90.275,99.425 h0.8
  text "0" at 53.275,99.175 h0.8
  text "1" at 56.875,99.175 h0.8
  text "0" at 51.775,97.475 h0.8
  text "1" at 51.975,95.475 h0.8
  text "STS" at 110,95.1 h0.8
  text "2" at 51.775,93.475 h0.8
  text "D0" at 111,89.5 h0.8
  text "D5" at 128.3,89.5 h0.8
  text "E2" at 14.725,85.35 h0.8
  text "E1" at 14.875,75.25 h0.8
  text "S2" at 14.954,70.854 h0.8
  text "S1" at 14.954,63.854 h0.8
  text "EN" at 29.475,63.45 h0.8
  text "IO0" at 44.9,63.3 h0.8
  text "BOOT0" at 42.925,55.4 h0.8
  text "RFSENS DEVBOARD" at 55.141,55.391 h1.52
  text "RESET" at 26.2,55.3 h0.8
  text "REV A02" at 55.141,52.991 h1.52
  text "CHG_STAT" at 22.7,50.8 h0.8
  text "Shelestov 2020" at 55.141,50.741 h1.52
  text "3V3" at 73.175,46.75 h0.8
  text "SCK" at 120.796,38.756 h0.8
  text "MOSI" at 120.796,36.216 h0.8
  text "MISO" at 120.796,33.676 h0.8
  text "RX" at 15.225,32.325 h0.8
  text "D0" at 104,30.7 h0.8
  text "TX" at 15.225,29.325 h0.8
  text "CPLDO" at 5.8,25.475 h0.8
  text "SUSP" at 20.5,17.4 h0.8
  text "D5" at 104.1,14.3 h0.8
  text "VBUS" at 55.6,10.1 h0.8
  text "USB" at 54.5,8.6 h0.8
  text "MCU" at 57.5,8.6 h0.8
  text "0" at 95.625,7.875 h0.8 r90
  text "G" at 87.796,5.991 h0.8
  text "1" at 95.625,4.375 h0.8 r90
  text "3V3" at 46.42,3.75 h0.8 r90
  text "SCL" at 48.96,3.75 h0.8 r90
  text "SDA" at 51.5,3.75 h0.8 r90
  text "GND" at 54.294,3.496 h0.8 r90
  text "T" at 87.796,3.451 h0.8
  text "VCC_CP" at 8.8,1.9 h0.8
  text "CS" at 97.225,1.875 h0.8 r90
  text "AD" at 98.8,1.875 h0.8 r90
  text "R" at 87.796,0.911 h0.8
Bottom Overlay:
  text "RX1" at 76.75,90.85 h0.8
  text "TX1" at 76.85,88.35 h0.8
  text "TX2" at 76.85,85.85 h0.8
  text "RX2" at 76.85,83.35 h0.8
  text "TX3" at 104.85,82.85 h0.8
  text "RSTN1" at 104.725,77.965 h0.8
  text "VBAT" at 104.725,75.425 h0.8
  text "I MAX = 3A / U MAX = 12 V" at 29.1,14.1 h1.52
Top Solder:
  rectangle: 123.523,52.953 125.727,54.739
  rectangle: 97.337,59.048 99.192,61.252
  rectangle: 110.373,60.4 112.577,61.933
  rectangle: 112.775,50.125 114.825,55.575
  rectangle: 112.775,40.525 114.825,48.175
  region: 89.475,95.35 89.475,101.625 78.925,101.625 78.925,95.35
  region: 101.1,50.125 103.125,50.125 103.125,55.575 101.1,55.575
  region: 101.1,48.175 103.125,48.175 103.125,40.525 101.1,40.525
Bottom Solder:
  rectangle: 34.7,83.025 39.775,88.1
  rectangle: 33.1,14.3 36.1,17.3
  rectangle: 25.25,31.6 27.75,34.2
  rectangle: 25.325,28.475 27.05,30.5
  rectangle: 14.9,35.3 17.4,37.9
  rectangle: 11.575,38.15 13.9,40.2
  rectangle: 10.4,34.8 13.8,37.7
  rectangle: 18.8,21.7 22,24.9
  region: 17.45,34.925 16.875,34.35 13.85,34.35 10.775,34.35 9.875,35.25 9.875,37.35 10.325,37.8 13.8,37.8 14.075,37.8 15.075,38.8 16.9,38.8 17.45,38.25
  region: 18.325,34.35 19.7,34.35 20.5,35.15 20.5,36.7 20.1,37.1 17.775,37.1 17.775,34.9
  region: 24.725,35.102 24.3,34.677 24.3,32.127 24.825,31.602 26.073,31.602 26.95,31.602 28.198,31.602 28.723,32.127 28.723,34.677 28.298,35.102
  region: 27.648,23.925 28.073,24.35 28.073,26.9 27.548,27.425 26.3,27.425 25.423,27.425 24.175,27.425 23.65,26.9 23.65,24.35 24.075,23.925
  region: 37.775,30.125 37.775,33.025 34.9,33.025 34.9,30.125
Mechanical 13:
  lines w0.1: 0,1 1,1 1,0 ; 0,2 2,2 2,0 ; 0,6 6,6 6,0 ; 0,95.6 6,95.6 6,101.6 ; 0,99.6 2,99.6 2,101.6 ; 0,100.6 1,100.6 1,101.6 ; 125,0 125,6 131,6 ; 125,101.6 125,95.6 131,95.6 ; 129,0 129,2 131,2 ; 129,101.6 129,99.6 131,99.6 ; 130,0 130,1 131,1 ; 130,101.6 130,100.6 131,100.6
  lines w0.127: 0,0 131,0 131,101.6 0,101.6 0,0

## Dimensions
0,0 to 0,101.6 on Mechanical 16
0,0 to 131,0 on Mechanical 16

## Text inside footprints (layer, text, board x,y; h text height)
U3: Top Overlay "NS-HP-GL / S2525F8-GL-RTK" at 86.385,91.553 h1.52 r270; Top Overlay "-ant" at 99.593,73.392 h1.52 r180; Top Overlay "vb" at 105.073,76.705 h1 r180; Top Overlay "rs" at 105.073,79.245 h1 r180; Top Overlay "T3" at 105.073,81.785 h1 r180; Top Overlay "vc" at 105.073,86.865 h1 r180; Top Overlay "rs" at 105.073,91.945 h1 r180; Top Overlay "bs" at 105.073,94.485 h1 r180; Top Overlay "1p" at 105.073,97.025 h1 r180; Top Overlay "g" at 105.073,99.565 h1 r180; Top Overlay "vc" at 74.593,99.565 h1 r180; Top Overlay "g" at 73.793,97.025 h1 r180; Top Overlay "bs" at 74.593,94.485 h1 r180; Top Overlay "r1" at 74.293,91.945 h1 r180; Top Overlay "t1" at 74.293,89.405 h1 r180; Top Overlay "r2" at 74.593,84.325 h1 r180; Top Overlay "t2" at 74.493,86.865 h1 r180; Top Overlay "tr" at 74.393,79.245 h1 r180; Top Overlay "st" at 74.393,76.705 h1 r180
U9: Top Overlay "SX127_" at 115.45,75.025 h2
U16: Mechanical 4 "ANTENNA" at 32.51,96.201 h1.88; Mechanical 4 "ANTENNA" at 32.51,96.201 h1.88